# KiCad board model-c.kicad_pcb
title: Model-C - Calculator numpad combo with mechanical switches; date: 2025-01-19; rev: v2.1; company: Design by Brian Hill (@TrojanPinata)
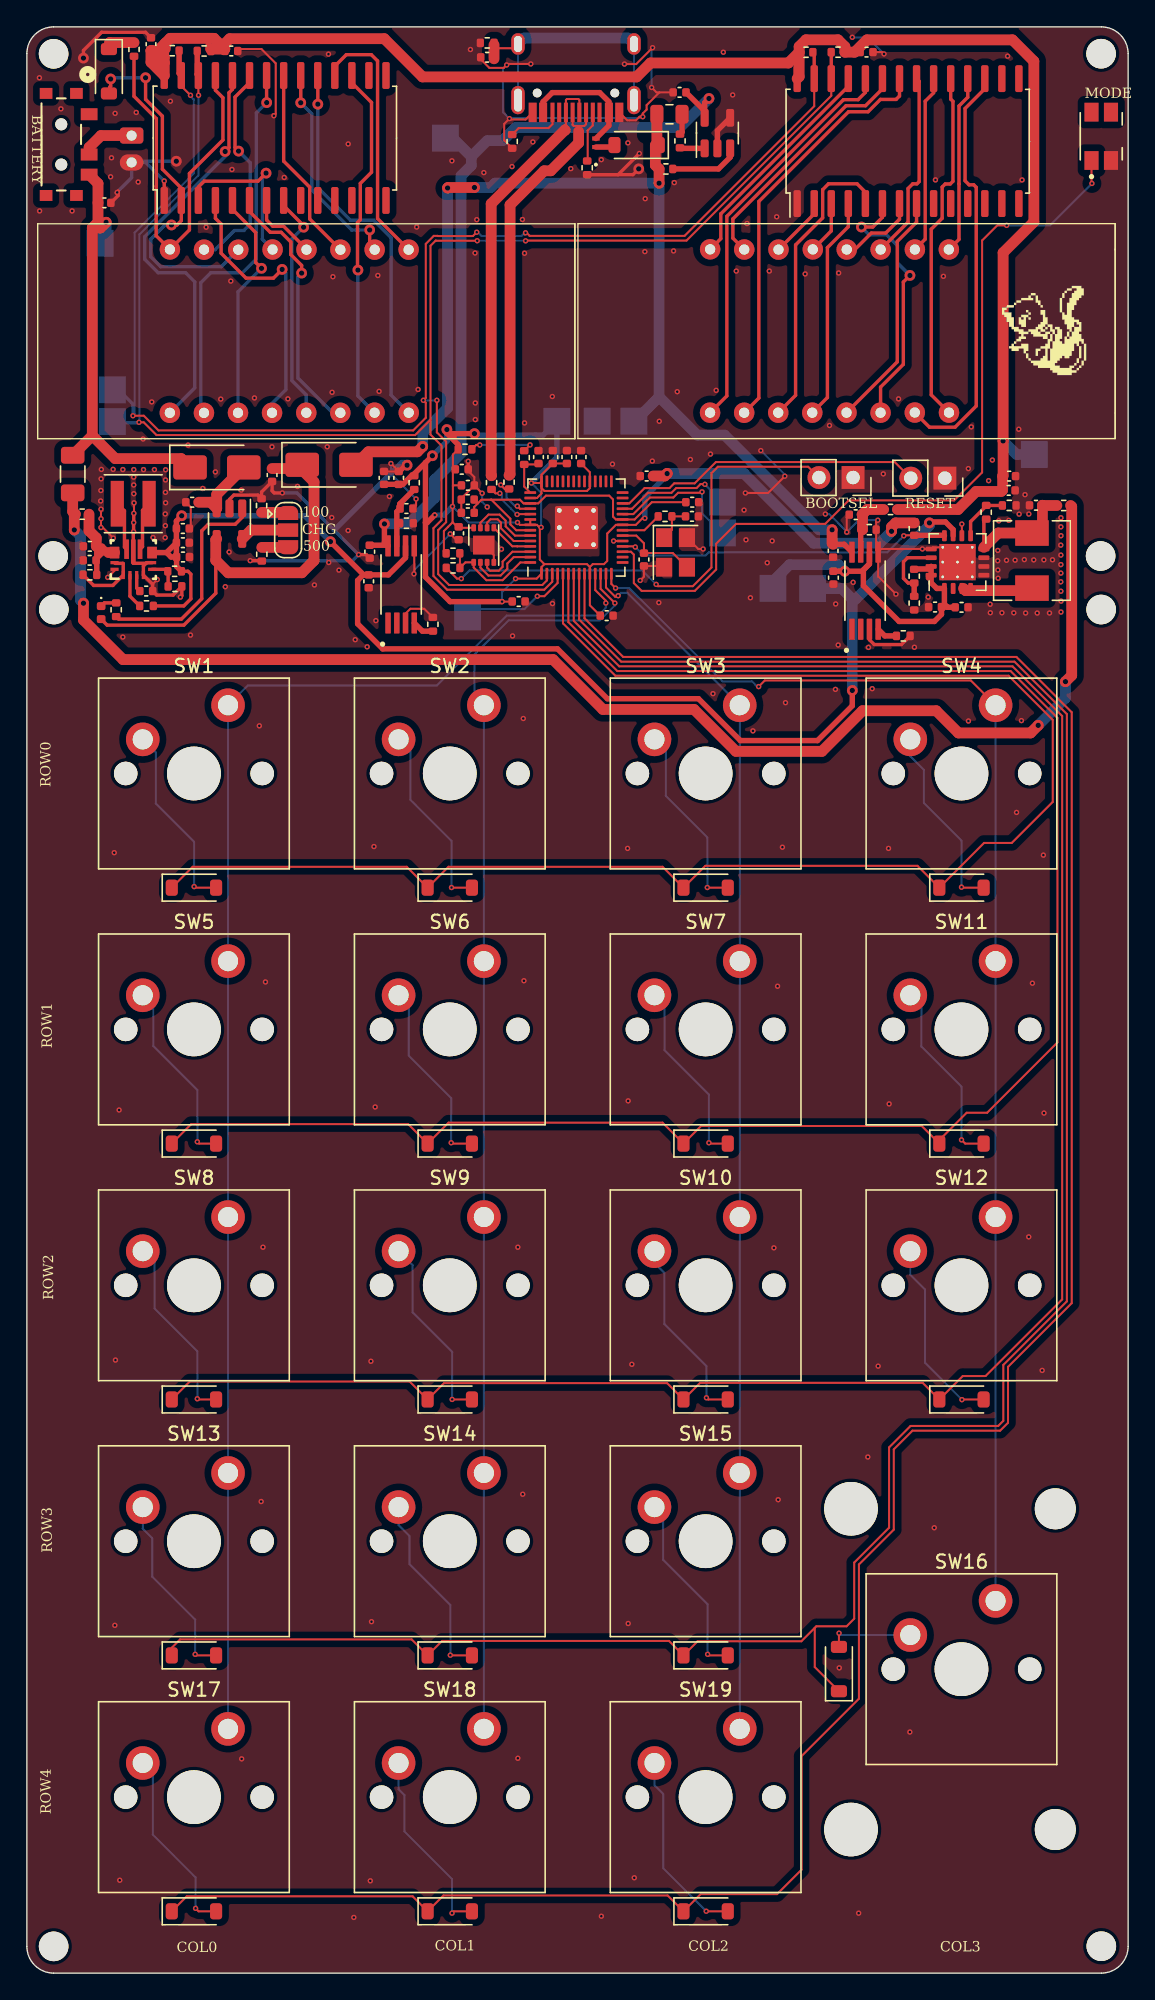
[diagram p0: board, top side]
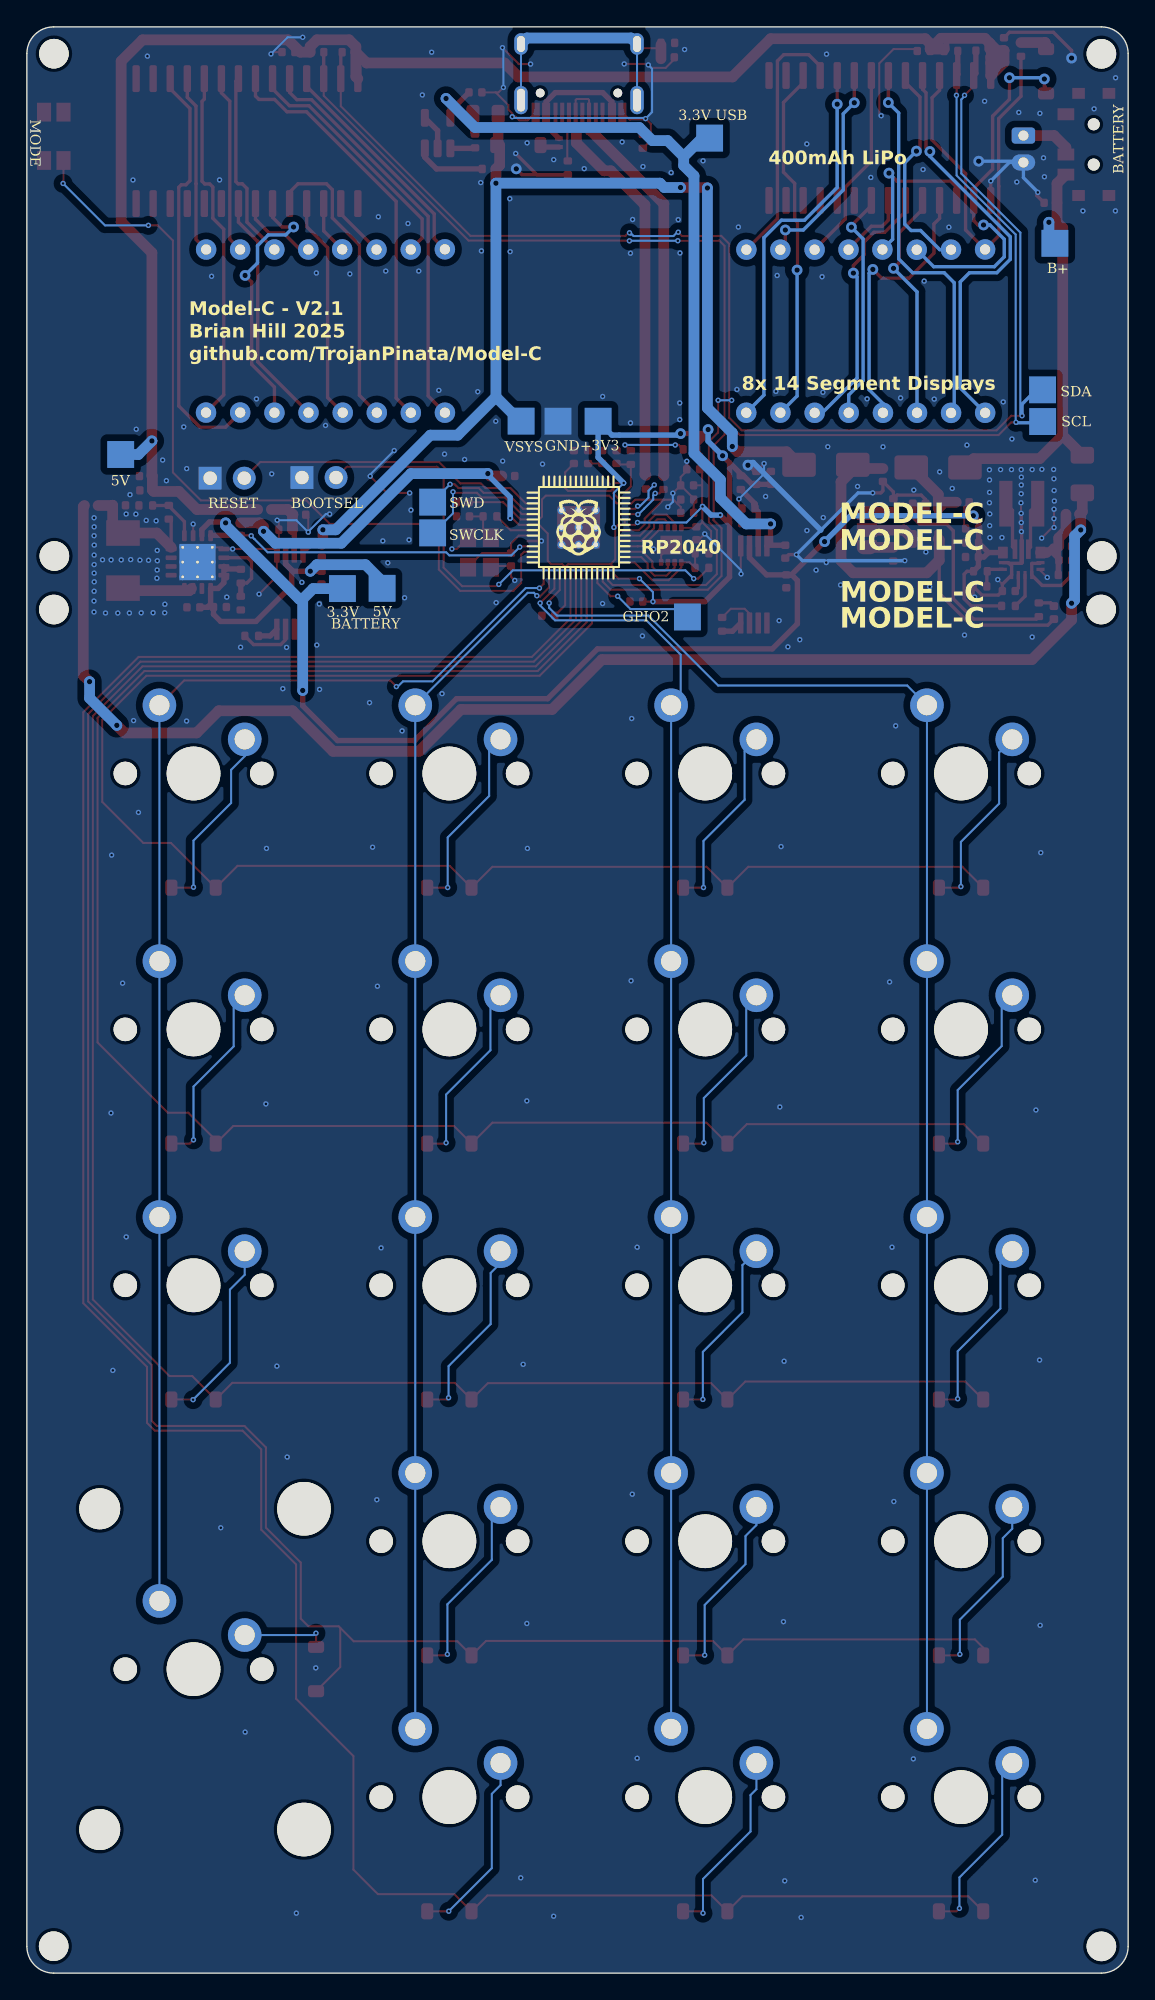
[diagram p1: board, bottom side, seen from below]

Outline 82 x 144.88 mm; copper layers: Top, Bottom. Coordinates in mm from the lower left corner of the outline.
Outline path: 0,142.88 0,2 arc(0.59,0.59) 2,0 80,0 arc(81.41,0.59) 82,2 82,142.88 arc(81.41,144.29) 80,144.88 2,144.88 arc(0.59,144.29) 0,142.88
Stack: Top 0.035mm / dielectric 1.51mm FR4 er 4.5 / Bottom 0.035mm

## Placement (name value [footprint] x y rotation side)
C1  0.1uF  [C_0402_1005Metric]  32.15 107.18 90 top
C2  10uF  [C_0402_1005Metric]  27.69 111.31 90 top
C3  22pF  [C_0402_1005Metric]  45.95 105.23 90 top
C4  22pF  [C_0402_1005Metric]  49.52 108.44 0 top
C5  0.1uF  [C_0402_1005Metric]  9.24 143.59 90 top
C6  0.1uF  [C_0402_1005Metric]  34.27 142.62 180 top
C7  1uF  [C_0402_1005Metric]  32.83 108.7 180 top
C8  0.1uF  [C_0402_1005Metric]  49.54 109.5 0 top
C9  0.1uF  [C_0402_1005Metric]  32.83 109.69 180 top
C10  2.2uF  [C_0402_1005Metric]  38.1 112.86 90 top
C11  0.1uF  [C_0402_1005Metric]  40.21 112.86 90 top
C12  0.1uF  [C_0402_1005Metric]  46.15 111.45 180 top
C13  0.1uF  [C_0402_1005Metric]  41.27 112.86 90 top
C14  0.1uF  [C_0402_1005Metric]  32.84 110.75 0 top
C15  0.1uF  [C_0402_1005Metric]  32.38 111.94 0 top
C16  0.1uF  [C_0402_1005Metric]  43.17 101.05 0 top
C17  0.1uF  [C_0402_1005Metric]  36.62 102.11 0 top
C18  2.2uF  [C_0402_1005Metric]  39.16 112.86 90 top
C19  4.7uF  [C_0402_1005Metric]  18.26 111.52 270 top
C20  4.7uF  [C_0402_1005Metric]  5.78 131.78 0 top
C21  10uF  [C_0402_1005Metric]  73.11 110.38 0 top
C22  4.7uF  [C_0402_1005Metric]  26.6 111.31 90 top
C23  10uF  [C_0402_1005Metric]  73.14 111.44 0 top
C24  0.1uF  [C_0402_1005Metric]  62.52 143 0 top
C25  10uF  [C_0402_1005Metric]  15.22 143.09 0 top
C26  10uF  [C_0402_1005Metric]  75.14 109.27 180 top
C27  22uF  [C_0402_1005Metric]  69.6 101.67 0 top
C28  100uF_LowESR  [C_0402_1005Metric]  67.62 101.69 180 top
C29  10uF  [C_0402_1005Metric]  48.6 140 180 top
C30  0.1uF  [C_0402_1005Metric]  25.45 103.61 270 top
C31  0.1uF  [C_0402_1005Metric]  25.53 105.81 270 top
C32  0.1uF  [C_0402_1005Metric]  60.03 105.88 270 top
C33  0.1uF  [C_0402_1005Metric]  60.06 103.88 270 top
C34  10uF  [C_0402_1005Metric]  4.69 106.21 180 top
C35  22uF  [C_0402_1005Metric]  28.27 109.02 0 top
C36  22uF  [C_0402_1005Metric]  61.71 108.57 180 top
C37  10uF  [C_0402_1005Metric]  4.68 105.17 0 top
C38  100nF  [C_0402_1005Metric]  8.89 102.88 0 top
C39  10uF  [C_0402_1005Metric]  11.62 107.54 180 top
C40  10uF  [C_0402_1005Metric]  11.62 106.48 0 top
C41  10uF  [C_0402_1005Metric]  11.63 105.42 180 top
C42  1uF  [C_0402_1005Metric]  12.32 109.49 180 top
D1  D  [D_SOD-123]  12.44 80.8 0 top
D2  D  [D_SOD-123]  31.49 80.8 0 top
D3  D  [D_SOD-123]  50.54 80.8 0 top
D4  D  [D_SOD-123]  69.59 80.8 0 top
D5  D  [D_SOD-123]  12.44 61.75 0 top
D6  D  [D_SOD-123]  31.49 61.75 0 top
D7  D  [D_SOD-123]  50.54 61.75 0 top
D8  D  [D_SOD-123]  69.59 61.75 0 top
D9  D  [D_SOD-123]  12.44 42.7 0 top
D10  D  [D_SOD-123]  31.49 42.7 0 top
D11  D  [D_SOD-123]  50.54 42.7 0 top
D12  D  [D_SOD-123]  69.59 42.7 0 top
D13  D  [D_SOD-123]  12.44 23.65 0 top
D14  D  [D_SOD-123]  31.49 23.65 0 top
D15  D  [D_SOD-123]  50.54 23.65 0 top
D16  D  [D_SOD-123]  60.47 22.64 90 top
D17  D  [D_SOD-123]  12.44 4.6 0 top
D18  D  [D_SOD-123]  31.49 4.6 0 top
D19  D  [D_SOD-123]  50.54 4.6 0 top
D20  1N4148  [D_SOD-123]  6.11 141.57 270 top
D21  1N4002W  [D_SOD-123]  45.4 136.08 180 top
D22  MBRA140  [D_SMA]  22.5 112.28 0 top
D23  LED  [LED_0402_1005Metric]  5.53 101.28 270 top
D24  SS14  [D_SMA]  14.15 112.08 0 top
D25  TPD1E05U06  [RTVS_DFN1006-2_SOD882_NEX]  42.37 136.25 90 top
F1  0805L050WR  [Fuse_0805_2012Metric]  47.85 138.38 0 top
F2  Polyfuse_Small  [Fuse_1206_3216Metric]  3.41 111.59 270 top
FB1  FB  [R_0402_1005Metric]  48.63 136.39 90 top
FB2  FB  [R_0402_1005Metric]  64.31 108.95 180 top
FB3  FB  [R_0402_1005Metric]  28.84 110.95 270 top
FB4  FB  [R_0402_1005Metric]  77.2 109.25 0 top
FB5  FB  [R_0402_1005Metric]  4.12 108.6 180 top
G***  -  [LOGO]  75.74 122.19 0 top
G***#2  -  [LOGO]  40.92 107.61 180 bottom
H1  Stabilizer  [Stabilizer_Cherry_MX_2.00u]  69.59 22.63 270 top
IC1  HT16K33  [SOP-28_7.5x17.9mm_P1.27mm]  64.34 136.38 90 top
IC2  HT16K33  [SOP-28_7.5x17.9mm_P1.27mm]  17.22 136.61 90 top
J1  Batt  [JST_PH_S2B-PH-K_1x02_P2.00mm_Horizontal]  7.8 136.79 270 bottom
J2  Conn_01x02_Socket  [PinSocket_1x02_P2.54mm_Vertical]  61.52 111.33 270 top
J3  Conn_01x02_Socket  [PinSocket_1x02_P2.54mm_Vertical]  68.36 111.29 270 top
JP2  500mA - 100mA  [SolderJumper-3_P1.3mm_Open_RoundedPad1.0x1.5mm]  19.45 107.42 270 top
L1  4.7uH  [L_Sunlord_MWSA0503S]  74.84 105.15 270 top
L2  1.5uH  [L_Coilcraft_XxL4020]  7.92 109.38 0 top
NOREF  -  [unnamed]  79.99 101.51 0 top
NOREF#2  -  [unnamed]  1.96 105.49 0 top
NOREF#3  -  [unnamed]  2.01 101.51 0 top
NOREF#4  -  [unnamed]  80 2 0 top
NOREF#5  -  [unnamed]  1.99 1.99 0 top
NOREF#6  -  [unnamed]  79.98 142.88 0 top
NOREF#7  -  [unnamed]  1.99 142.87 0 top
NOREF#8  -  [unnamed]  79.95 105.49 0 top
R1  1k  [R_0402_1005Metric]  31.73 104.61 180 top
R2  10k  [R_0402_1005Metric]  31.73 105.69 180 top
R3  1k  [R_0402_1005Metric]  47.52 108.44 180 top
R4  47k  [R_0402_1005Metric]  7.98 143.2 90 top
R5  160k  [R_0402_1005Metric]  71.43 108.75 90 top
R6  5.1k  [R_0402_1005Metric]  41.72 134.39 270 top
R7  5.1k  [R_0402_1005Metric]  36.14 136.35 270 top
R8  10k  [R_0402_1005Metric]  34.28 143.69 0 top
R9  100k  [R_0402_1005Metric]  73.15 109.25 0 top
R10  200  [R_0402_1005Metric]  32.62 113.44 0 top
R11  1  [R_0402_1005Metric]  37.03 112.82 270 top
R12  27  [R_0402_1005Metric]  34.6 110.96 90 top
R13  27  [R_0402_1005Metric]  35.9 110.99 90 top
R14  330  [R_0402_1005Metric]  6.65 101.49 270 top
R15  2k  [R_0402_1005Metric]  17.49 105.62 90 top
R16  10k  [R_0402_1005Metric]  17.48 109.25 270 top
R17  10k  [R_0402_1005Metric]  10.83 143.11 180 top
R18  10k  [R_0402_1005Metric]  13.2 143.09 180 top
R19  4.7k  [R_0402_1005Metric]  58.01 142.99 180 top
R20  4.7k  [R_0402_1005Metric]  60.4 143 180 top
R21  10k  [R_0402_1005Metric]  66.08 107.54 270 top
R22  100k  [R_0402_1005Metric]  47.59 134.3 0 top
R23  10k  [R_0402_1005Metric]  4.69 104.09 180 top
R24  4.7k  [R_0402_1005Metric]  65.26 99.54 0 top
R25  4.7k  [R_0402_1005Metric]  30.23 100.41 90 top
R26  100k  [R_0402_1005Metric]  28.27 107.93 0 top
R27  100k  [R_0402_1005Metric]  62.73 107.45 0 top
R28  100k  [R_0402_1005Metric]  8.91 101.78 180 top
R29  316k  [R_0402_1005Metric]  11 104.35 180 top
R30  100k  [R_0402_1005Metric]  11.03 103.23 0 top
R31  523k  [R_0402_1005Metric]  66.07 103.99 90 top
R32  100k  [R_0402_1005Metric]  66.07 101.98 90 top
S1  MODE  [SW_EVQ-P7A01P]  80 136.73 90 top
SW1  SW_SPST  [SW_Cherry_MX_PCB_1.00u]  12.44 89.3 0 top
SW2  SW_SPST  [SW_Cherry_MX_PCB_1.00u]  31.49 89.3 0 top
SW3  SW_SPST  [SW_Cherry_MX_PCB_1.00u]  50.54 89.3 0 top
SW4  SW_SPST  [SW_Cherry_MX_PCB_1.00u]  69.59 89.3 0 top
SW5  SW_SPST  [SW_Cherry_MX_PCB_1.00u]  12.44 70.25 0 top
SW6  SW_SPST  [SW_Cherry_MX_PCB_1.00u]  31.49 70.25 0 top
SW7  SW_SPST  [SW_Cherry_MX_PCB_1.00u]  50.54 70.25 0 top
SW8  SW_SPST  [SW_Cherry_MX_PCB_1.00u]  12.44 51.2 0 top
SW9  SW_SPST  [SW_Cherry_MX_PCB_1.00u]  31.49 51.2 0 top
SW10  SW_SPST  [SW_Cherry_MX_PCB_1.00u]  50.54 51.2 0 top
SW11  SW_SPST  [SW_Cherry_MX_PCB_1.00u]  69.59 70.25 0 top
SW12  SW_SPST  [SW_Cherry_MX_PCB_1.00u]  69.59 51.2 0 top
SW13  SW_SPST  [SW_Cherry_MX_PCB_1.00u]  12.44 32.15 0 top
SW14  SW_SPST  [SW_Cherry_MX_PCB_1.00u]  31.49 32.15 0 top
SW15  SW_SPST  [SW_Cherry_MX_PCB_1.00u]  50.54 32.15 0 top
SW16  SW_SPST  [SW_Cherry_MX_PCB_2.00u_90deg]  69.59 22.63 0 top
SW17  SW_SPST  [SW_Cherry_MX_PCB_1.00u]  12.44 13.1 0 top
SW18  SW_SPST  [SW_Cherry_MX_PCB_1.00u]  31.49 13.1 0 top
SW19  SW_SPST  [SW_Cherry_MX_PCB_1.00u]  50.54 13.1 0 top
SW21  SW_SPDT  [MK-12C02-G020_GSW]  2.56 136.13 270 top
TP1  TestPoint  [CustomTestPoint]  51.79 107.21 180 bottom
TP2  TestPoint  [CustomTestPoint]  51.79 109.5 180 bottom
TP3  TestPoint  [CustomTestPoint]  42.46 115.52 180 bottom
TP4  TestPoint  [CustomTestPoint]  32.82 100.95 180 bottom
TP5  TestPoint  [CustomTestPoint]  5.45 128.77 180 bottom
TP6  TestPoint  [CustomTestPoint]  45.2 115.53 180 bottom
TP7  TestPoint  [CustomTestPoint]  31.16 136.6 180 bottom
TP8  TestPoint  [CustomTestPoint]  55.55 103.09 180 bottom
TP9  TestPoint  [CustomTestPoint]  39.47 115.52 180 bottom
TP10  TestPoint  [CustomTestPoint]  58.5 103.06 180 bottom
TP11  TestPoint  [CustomTestPoint]  75.01 113.05 180 bottom
TP12  TestPoint  [CustomTestPoint]  6.37 115.5 180 bottom
TP13  TestPoint  [CustomTestPoint]  6.37 117.86 180 bottom
U1  W25Q16JVUXIQ  [SON-8-1EP_3x2mm_P0.5mm_EP1.4x1.6mm]  34.02 106.3 90 top
U2  14seg  [14 seg]  47.37 130.86 0 top
U3  RP2040  [RP2040-QFN-56]  40.92 107.61 90 top
U4  MCP73831-2-OT  [SOT-23-5]  15.09 107.9 270 top
U5  TPS61090  [Texas_S-PVQFN-N16_EP2.7x2.7mm_ThermalVias]  69.29 105.04 90 top
U6  14seg  [14 seg]  7.15 130.85 0 top
U7  TLV75533PDBVR  [SOT-23-5]  51.42 136.97 90 top
U8  TPS2115APW  [SOP65P640X120-8N]  27.87 103.37 90 top
U9  TPS2115APW  [SOP65P640X120-8N]  62.41 102.91 90 top
U11  TPS63070RNMR  [RNM0015A]  7.93 105.22 90 top
USB1  -  [HRO-TYPE-C-31-M-12]  40.89 146.21 180 top
Y1  12MHz  [Crystal_SMD_3225-4Pin_3.2x2.5mm]  48.3 105.76 270 top

## Library data of the parts
C1-C27 C29-C42 = -: Description: Unpolarized capacitor
C28 = -: Description: Polarized capacitor
D1-D19 = -: Description: Diode; Sim.Pins: 1=K 2=A
D20 D25 = -: Description: Diode; Sim.Device: D; Sim.Pins: 1=K 2=A
D21 = -: Description: Zener diode
D22 D24 = -: Description: Schottky diode
D23 = -: Description: Light emitting diode
F1 = -: Description: Resettable fuse, polymeric positive temperature coefficient
F2 = -: Description: Resettable fuse, polymeric positive temperature coefficient, small symbol
FB1-FB5 = -: Description: Ferrite bead
H1 = -: Description: Mounting Hole without connection
IC1 IC2 = -: Description: HT16K33 14-Segment 4-Digit Display Feather Platform Evaluation Expansion Board; Availability: Not in stock; Check_prices: https://www.snapeda.com/parts/HT16K33/Adafruit+Industries/view-part/?ref=eda; MF: Adafruit Industries; PROD_ID: IC-14891; Package: None; Price: None; SnapEDA_Link: https://www.snapeda.com/parts/HT16K33/Adafruit+Industries/view-part/?ref=snap
J1-J3 = -: Description: Generic connector, single row, 01x02, script generated
JP2 = -: Description: Solder Jumper, 3-pole, open
L1 L2 = -: Description: Inductor
R1-R32 = -: Description: Resistor
S1 = -: MANUFACTURER: Panasonic Electronic Components; MAXIMUM_PACKAGE_HEIGHT: 1.35mm; PARTREV: 2022.4; STANDARD: Manufacturer Recommendations
SW1-SW19 = -: Description: Single Pole Single Throw (SPST) switch
SW21 = -: Description: Switch, single pole double throw
TP1-TP13 = -: Description: test point
U1 = -: Description: 32Mb Serial Flash Memory, Standard/Dual/Quad SPI, DFN-8
U4 = -: Description: Single cell, Li-Ion/Li-Po charge management controller, 4.20V, Tri-State Status Output, in SOT23-5 package
U5 = -: Description: 2A Step-Up DC-DC Converter for Batteries, Isw up to 2500mA, Adjustable output voltage, QFN-16
U7 = -: Description: 300mA low dropout linear regulator, shutdown pin, 1.5V fixed positive output, SOT-23-5
U8 U9 = -: MANUFACTURER: Texas Instruments; MAXIMUM_PACKAGE_HEIGHT: 1.2 mm; PARTREV: F; STANDARD: IPC 7351B
Y1 = -: Description: Four pin crystal, GND on pins 2 and 4

## Footprints (pads in the part's own frame, mm; a bottom-side part is the same pattern mirrored in y, then rotated)
14 seg
  round 1.524 hole 0.762: 1(3.5,-14.7) 2(6.04,-14.705) 3(8.575,-14.7) 4(11.11,-14.7) 5(13.66,-14.695) 6(16.195,-14.7) 7(18.745,-14.69) 8(21.29,-14.695) 9(21.28,-2.555) 10(18.75,-2.555) 11(16.2,-2.555) 12(13.675,-2.555) 13(11.15,-2.545) 14(8.595,-2.56) 15(6.045,-2.555) 16(3.505,-2.54)
C_0402_1005Metric
  rrect 0.56x0.62 smd: 1(-0.48,0) 2(0.48,0)
Crystal_SMD_3225-4Pin_3.2x2.5mm
  rect 1.4x1.2 smd: 1(-1.1,-0.85) 2(1.1,-0.85) 3(1.1,0.85) 4(-1.1,0.85)
CustomTestPoint
  rect 2x2 smd: 1(0,0)
D_SMA
  rrect 2.5x1.8 smd: 1(-2,0) 2(2,0)
D_SOD-123
  rrect 0.9x1.2 smd: 1(-1.65,0) 2(1.65,0)
Fuse_0805_2012Metric
  rrect 0.975x1.4 smd: 1(-0.938,0) 2(0.938,0)
Fuse_1206_3216Metric
  rrect 1.25x1.75 smd: 1(-1.4,0) 2(1.4,0)
HRO-TYPE-C-31-M-12
  round 0.65 hole 0.65 unplated: (-2.89,6.25) (2.89,6.25)
  rect 0.6x1.45 smd: 1(-3.225,7.695) 2(-2.45,7.695) 11(2.45,7.695) 12(3.225,7.695)
  rect 0.3x1.45 smd: 3(-1.75,7.695) 4(-1.25,7.695) 5(-0.75,7.695) 6(-0.25,7.695) 7(0.25,7.695) 8(0.75,7.695) 9(1.25,7.695) 10(1.75,7.695)
  oval 1x2.1 hole 0.6x1.7: 13(-4.32,6.78) 13(4.32,6.78)
  oval 1x1.6 hole 0.6x1.2: 13(-4.32,2.6) 13(4.32,2.6)
JST_PH_S2B-PH-K_1x02_P2.00mm_Horizontal
  rrect 1.2x1.75 hole 0.75: 1(0,0)
  oval 1.2x1.75 hole 0.75: 2(2,0)
L_Coilcraft_XxL4020
  rect 0.98x3.4 smd: 1(-1.185,0) 2(1.185,0)
L_Sunlord_MWSA0503S
  rect 1.9x2.5 smd: 1(-2.05,0) 2(2.05,0)
LED_0402_1005Metric
  rrect 0.59x0.64 smd: 1(-0.485,0) 2(0.485,0)
MK-12C02-G020_GSW
  round 0.889 hole 0.889 unplated: (-1.499,0) (1.499,0)
  rect 0.889x1.245 smd: 1(-2.248,2.075) 2(0.749,2.075) 3(2.248,2.075)
  rect 0.813x0.94 smd: 6(-3.8,1.13) 7(3.8,1.13) 8(-3.8,-1.13) 9(3.8,-1.13)
PinSocket_1x02_P2.54mm_Vertical
  rect 1.7x1.7 hole 1: 1(0,0)
  oval 1.7x1.7 hole 1: 2(0,-2.54)
R_0402_1005Metric
  rrect 0.54x0.64 smd: 1(-0.51,0) 2(0.51,0)
RNM0015A
  rect 0.6x0.24 smd: 1(-1.15,0.75) 2(-1.15,0.25) 3(-1.15,-0.25) 4(-1.15,-0.75)
  rect 0.24x0.6 smd: 5(-0.725,-1.4) 6(-0.225,-1.4) 14(-0.225,1.4) 15(-0.725,1.4)
  rect 0.85x0.7 smd: 7(0.525,-1.4) 8(0.525,-1.4) 12(0.525,1.4) 13(0.525,1.4)
  rect 1.45x0.35 smd: 9(0.775,-0.5) 11(0.775,0.5)
  rect 1.8x0.35 smd: 10(0.6,0)
RP2040-QFN-56
  rrect 1.084x1.084 smd: (-0.637,0.637) (-0.637,-0.637) (0.637,0.637) (0.637,-0.637)
  rrect 0.875x0.2 smd: 1(-3.438,2.6) 2(-3.438,2.2) 3(-3.438,1.8) 4(-3.438,1.4) 5(-3.438,1) 6(-3.438,0.6) 7(-3.438,0.2) 8(-3.438,-0.2) 9(-3.438,-0.6) 10(-3.438,-1) 11(-3.438,-1.4) 12(-3.438,-1.8) 13(-3.438,-2.2) 14(-3.438,-2.6) 29(3.438,-2.6) 30(3.438,-2.2) 31(3.438,-1.8) 32(3.438,-1.4) 33(3.438,-1) 34(3.438,-0.6) 35(3.438,-0.2) 36(3.438,0.2) 37(3.438,0.6) 38(3.438,1) 39(3.438,1.4) 40(3.438,1.8) 41(3.438,2.2) 42(3.438,2.6)
  rrect 0.2x0.875 smd: 15(-2.6,-3.438) 16(-2.2,-3.438) 17(-1.8,-3.438) 18(-1.4,-3.438) 19(-1,-3.438) 20(-0.6,-3.438) 21(-0.2,-3.438) 22(0.2,-3.438) 23(0.6,-3.438) 24(1,-3.438) 25(1.4,-3.438) 26(1.8,-3.438) 27(2.2,-3.438) 28(2.6,-3.438) 43(2.6,3.438) 44(2.2,3.438) 45(1.8,3.438) 46(1.4,3.438) 47(1,3.438) 48(0.6,3.438) 49(0.2,3.438) 50(-0.2,3.438) 51(-0.6,3.438) 52(-1,3.438) 53(-1.4,3.438) 54(-1.8,3.438) 55(-2.2,3.438) 56(-2.6,3.438)
  round 0.6 hole 0.35: 57(-1.275,1.275) 57(-1.275,0) 57(-1.275,-1.275) 57(0,1.275) 57(0,0) 57(0,-1.275) 57(1.275,1.275) 57(1.275,0) 57(1.275,-1.275)
  rrect 3.2x3.2 smd: 57(0,0)
RTVS_DFN1006-2_SOD882_NEX
  rect 0.305x0.559 smd: 1(-0.318,0) 2(0.318,0)
SolderJumper-3_P1.3mm_Open_RoundedPad1.0x1.5mm
  custom 1.05x1.5 smd: 1(-1.3,0) 3(1.3,0)
  rect 1x1.5 smd: 2(0,0)
SON-8-1EP_3x2mm_P0.5mm_EP1.4x1.6mm
  rrect 0.56x0.64 smd: (-0.35,0.4) (-0.35,-0.4) (0.35,0.4) (0.35,-0.4)
  rrect 0.525x0.35 smd: 1(-1.288,0.75) 2(-1.288,0.25) 3(-1.288,-0.25) 4(-1.288,-0.75) 5(1.288,-0.75) 6(1.288,-0.25) 7(1.288,0.25) 8(1.288,0.75)
  rect 1.4x1.6 smd: 9(0,0)
SOP65P640X120-8N
  rrect 1.57x0.41 smd: 1(-2.87,0.975) 2(-2.87,0.325) 3(-2.87,-0.325) 4(-2.87,-0.975) 5(2.87,-0.975) 6(2.87,-0.325) 7(2.87,0.325) 8(2.87,0.975)
SOP-28_7.5x17.9mm_P1.27mm
  rrect 2x0.55 smd: 1(-4.65,6.985) 2(-4.65,5.715) 3(-4.65,4.445) 4(-4.65,3.175) 5(-4.65,1.905) 6(-4.65,0.635) 7(-4.65,-0.635) 8(-4.65,-1.905) 9(-4.65,-3.175) 10(-4.65,-4.445) 11(-4.65,-5.715) 12(-4.65,-6.985) 13(-4.65,-8.255) 14(-4.65,-9.525) 15(4.65,-9.525) 16(4.65,-8.255) 17(4.65,-6.985) 18(4.65,-5.715) 19(4.65,-4.445) 20(4.65,-3.175) 21(4.65,-1.905) 22(4.65,-0.635) 23(4.65,0.635) 24(4.65,1.905) 25(4.65,3.175) 26(4.65,4.445) 27(4.65,5.715) 28(4.65,6.985)
SOT-23-5
  rrect 1.325x0.6 smd: 1(-1.137,0.95) 2(-1.137,0) 3(-1.137,-0.95) 4(1.137,-0.95) 5(1.137,0.95)
Stabilizer_Cherry_MX_2.00u
  round 3.048 hole 3.048 unplated: (-11.938,6.985) (11.938,6.985)
  round 3.988 hole 3.988 unplated: (-11.938,-8.225) (11.938,-8.225)
SW_Cherry_MX_PCB_1.00u
  round 1.75 hole 1.75 unplated: (-5.08,0) (5.08,0)
  round 4 hole 4 unplated: (0,0)
  round 2.5 hole 1.5: 1(-3.81,2.54) 2(2.54,5.08)
SW_Cherry_MX_PCB_2.00u_90deg
  round 1.75 hole 1.75 unplated: (-5.08,0) (5.08,0)
  round 4 hole 4 unplated: (0,0)
  round 2.5 hole 1.5: 1(-3.81,2.54) 2(2.54,5.08)
SW_EVQ-P7A01P
  rect 1.4x1.05 smd: 1_1(-1.8,0.725) 1_2(1.8,0.725) 2_1(-1.8,-0.725) 2_2(1.8,-0.725)
Texas_S-PVQFN-N16_EP2.7x2.7mm_ThermalVias
  rrect 0.955x0.955 smd: (-0.55,0.55) (-0.55,-0.55) (0.55,0.55) (0.55,-0.55)
  rrect 0.825x0.35 smd: 1(-1.962,0.975) 2(-1.962,0.325) 3(-1.962,-0.325) 4(-1.962,-0.975) 9(1.962,-0.975) 10(1.962,-0.325) 11(1.962,0.325) 12(1.962,0.975)
  rrect 0.35x0.825 smd: 5(-0.975,-1.962) 6(-0.325,-1.962) 7(0.325,-1.962) 8(0.975,-1.962) 13(0.975,1.962) 14(0.325,1.962) 15(-0.325,1.962) 16(-0.975,1.962)
  round 0.5 hole 0.2: 17(-1.1,1.1) 17(-1.1,0) 17(-1.1,-1.1) 17(0,1.1) 17(0,0) 17(0,-1.1) 17(1.1,1.1) 17(1.1,0) 17(1.1,-1.1)
  rect 2.7x2.7 smd: 17(0,0)
  rect 2.7x2.7 smd far side: 17(0,0)
unnamed
  round 2.2 hole 2.2 unplated: (0,0)

## Nets
+1V1: C7.1 C8.1 C9.1 U3.23 U3.45 U3.50
+3V3: C1.2 C2.1 C11.1 C12.1 C13.1 C14.1 C15.1 C16.1 C17.1 C18.1 C22.1 FB3.1 R2.2 R10.1 R21.1 TP9.1 U1.8 U3.1 U3.10 U3.22 U3.33 U3.42 U3.44 U3.48 U3.49
+5V: C5.1 C21.1 C23.1 C24.1 C25.1 FB2.1 IC1.28 IC2.28 R17.2 R18.1 R19.2 R20.1 TP11.1
/3.3V_BATT: C30.1 C39.2 C40.1 C41.2 R28.1 R29.1 TP10.1 U5.11 U8.6 U11.7 U11.8
/3.3V_USB: C29.1 C31.1 TP7.1 U7.5 U8.8
/5V_BATT: C27.1 C28.1 C33.1 R31.2 TP8.1 U5.1 U5.15 U5.16 U9.6
GND: C1.1 C2.2 C3.1 C4.2 C5.2 C6.2 C7.2 C8.2 C9.2 C10.2 C11.2 C12.2 C13.2 C14.2 C15.2 C16.2 C17.2 C18.2 C19.2 C20.2 C21.2 C22.2 C23.2 C24.2 C25.2 C26.2 C27.2 C28.2 C29.2 C30.2 C31.2 C32.2 C33.2 C34.2 C35.2 C36.2 C37.1 C38.2 C39.1 C40.2 C41.1 C42.2 IC1.1 IC2.1 J1.2 J2.1 J3.1 R6.2 R7.2 R8.1 R9.2 R15.1 R16.1 R24.2 R25.2 R26.2 R27.2 R30.2 R32.1 S1.2_1 TP3.1 U1.4 U1.9 U3.19 U3.57 U4.2 U5.5 U5.6 U5.7 U5.10 U5.13 U5.17 U7.2 U7.4 U8.3 U8.5 U9.3 U9.5 U11.4 U11.6 U11.10 U11.15 USB1.1 USB1.12 Y1.2 Y1.4
VBUS: D25.2 USB1.2 USB1.11
/ADC_VREF: R10.2 R11.1
/B+: F2.2 FB4.2 FB5.2
/col0: SW1.2 SW5.2 SW8.2 SW13.2 SW17.2 U3.11
/col1: SW2.2 SW6.2 SW9.2 SW14.2 SW18.2 U3.12
/col2: SW3.2 SW7.2 SW10.2 SW15.2 SW19.2 U3.13
/col3: SW4.2 SW11.2 SW12.2 SW16.2 U3.14
/LBO: R21.2 U3.18 U5.12
/mode: S1.1_1 U3.17
/QSPI_SCLK: U1.6 U3.52
/QSPI_SD0: U1.5 U3.53
/QSPI_SD1: U1.2 U3.55
/QSPI_SD2: U1.3 U3.54
/QSPI_SD3: U1.7 U3.51
/QSPI_SS: R1.1 R2.1 U1.1 U3.56
/row0: D1.1 D2.1 D3.1 D4.1 U3.5
/row1: D5.1 D6.1 D7.1 D8.1 U3.6
/row2: D9.1 D10.1 D11.1 D12.1 U3.7
/row3: D13.1 D14.1 D15.1 D16.1 U3.8
/row4: D17.1 D18.1 D19.1 U3.9
/RUN: J3.2 U3.26
/SCL: IC1.26 IC2.26 R18.2 R20.2 TP12.1 U3.3
/SDA: IC1.27 IC2.27 R17.1 R19.1 TP13.1 U3.2
/USB_BOOT: J2.2 R1.2
/USB_DN: R13.2 USB1.5 USB1.7
/USB_DP: R12.2 USB1.6 USB1.8
/XIN: C3.2 U3.20 Y1.3
/XOUT: R3.2 U3.21
VSYS: C32.1 D21.1 D22.2 F1.1 R22.1 TP6.1 U9.8
Net-(C4-Pad1): C4.1 R3.1 Y1.1
Net-(C34-Pad1): C34.1 C37.2 FB5.1 R23.1 U11.12 U11.13
Net-(D1-A): D1.2 SW1.1
Net-(D2-A): D2.2 SW2.1
Net-(D3-A): D3.2 SW3.1
Net-(D4-A): D4.2 SW4.1
Net-(D5-A): D5.2 SW5.1
Net-(D6-A): D6.2 SW6.1
Net-(D7-A): D7.2 SW7.1
Net-(D8-A): D8.2 SW11.1
Net-(D9-A): D9.2 SW8.1
Net-(D10-A): D10.2 SW9.1
Net-(D11-A): D11.2 SW10.1
Net-(D12-A): D12.2 SW12.1
Net-(D13-A): D13.2 SW13.1
Net-(D14-A): D14.2 SW14.1
Net-(D15-A): D15.2 SW15.1
Net-(D16-A): D16.2 SW16.1
Net-(D17-A): D17.2 SW17.1
Net-(D18-A): D18.2 SW18.1
Net-(D19-A): D19.2 SW19.1
Net-(D20-A): D20.2 IC2.2 U6.14
Net-(D20-K): D20.1 R4.2
Net-(D21-A): D21.2 D25.1
Net-(D22-K): C19.1 D22.1 D23.2 U4.4
Net-(D23-K): D23.1 R14.1
Net-(D24-A): C42.1 D24.2 U4.3
Net-(D24-K): C20.1 D24.1 F2.1 SW21.3 TP5.1
Net-(F1-Pad2): F1.2 FB1.2
Net-(IC1-COM0/AD): IC1.2 U2.14
Net-(IC1-COM1/KS0): IC1.3 U2.13
Net-(IC1-COM2/KS1): IC1.4 U2.4
Net-(IC1-COM3/KS2): IC1.5 U2.3
Net-(IC1-COM4): IC1.6 U2.6
Net-(IC1-COM5): IC1.7 U2.12
Net-(IC1-COM6): IC1.8 U2.5
Net-(IC1-ROW0/A2): IC1.25 U2.16
Net-(IC1-ROW1/A1): IC1.24 U2.1
Net-(IC1-ROW2/A0): IC1.23 U2.15
Net-(IC1-ROW3/K1): IC1.22 U2.2
Net-(IC1-ROW4/K2): IC1.21 U2.11
Net-(IC1-ROW5/K3): IC1.20 U2.10
Net-(IC1-ROW6/K4): IC1.19 U2.8
Net-(IC1-ROW7/K5): IC1.18 U2.9
Net-(IC1-ROW8/K6): IC1.17 U2.7
Net-(IC2-COM1/KS0): IC2.3 U6.13
Net-(IC2-COM2/KS1): IC2.4 U6.4
Net-(IC2-COM3/KS2): IC2.5 U6.3
Net-(IC2-COM4): IC2.6 U6.6
Net-(IC2-COM5): IC2.7 U6.12
Net-(IC2-COM6): IC2.8 U6.5
Net-(IC2-ROW0/A2): IC2.25 R4.1 U6.16
Net-(IC2-ROW1/A1): IC2.24 U6.1
Net-(IC2-ROW2/A0): IC2.23 U6.15